# Allegro board RK3588S_Tablet_Demo_LP4XD200P232SD10H2_V11_20220218.brd (continued)
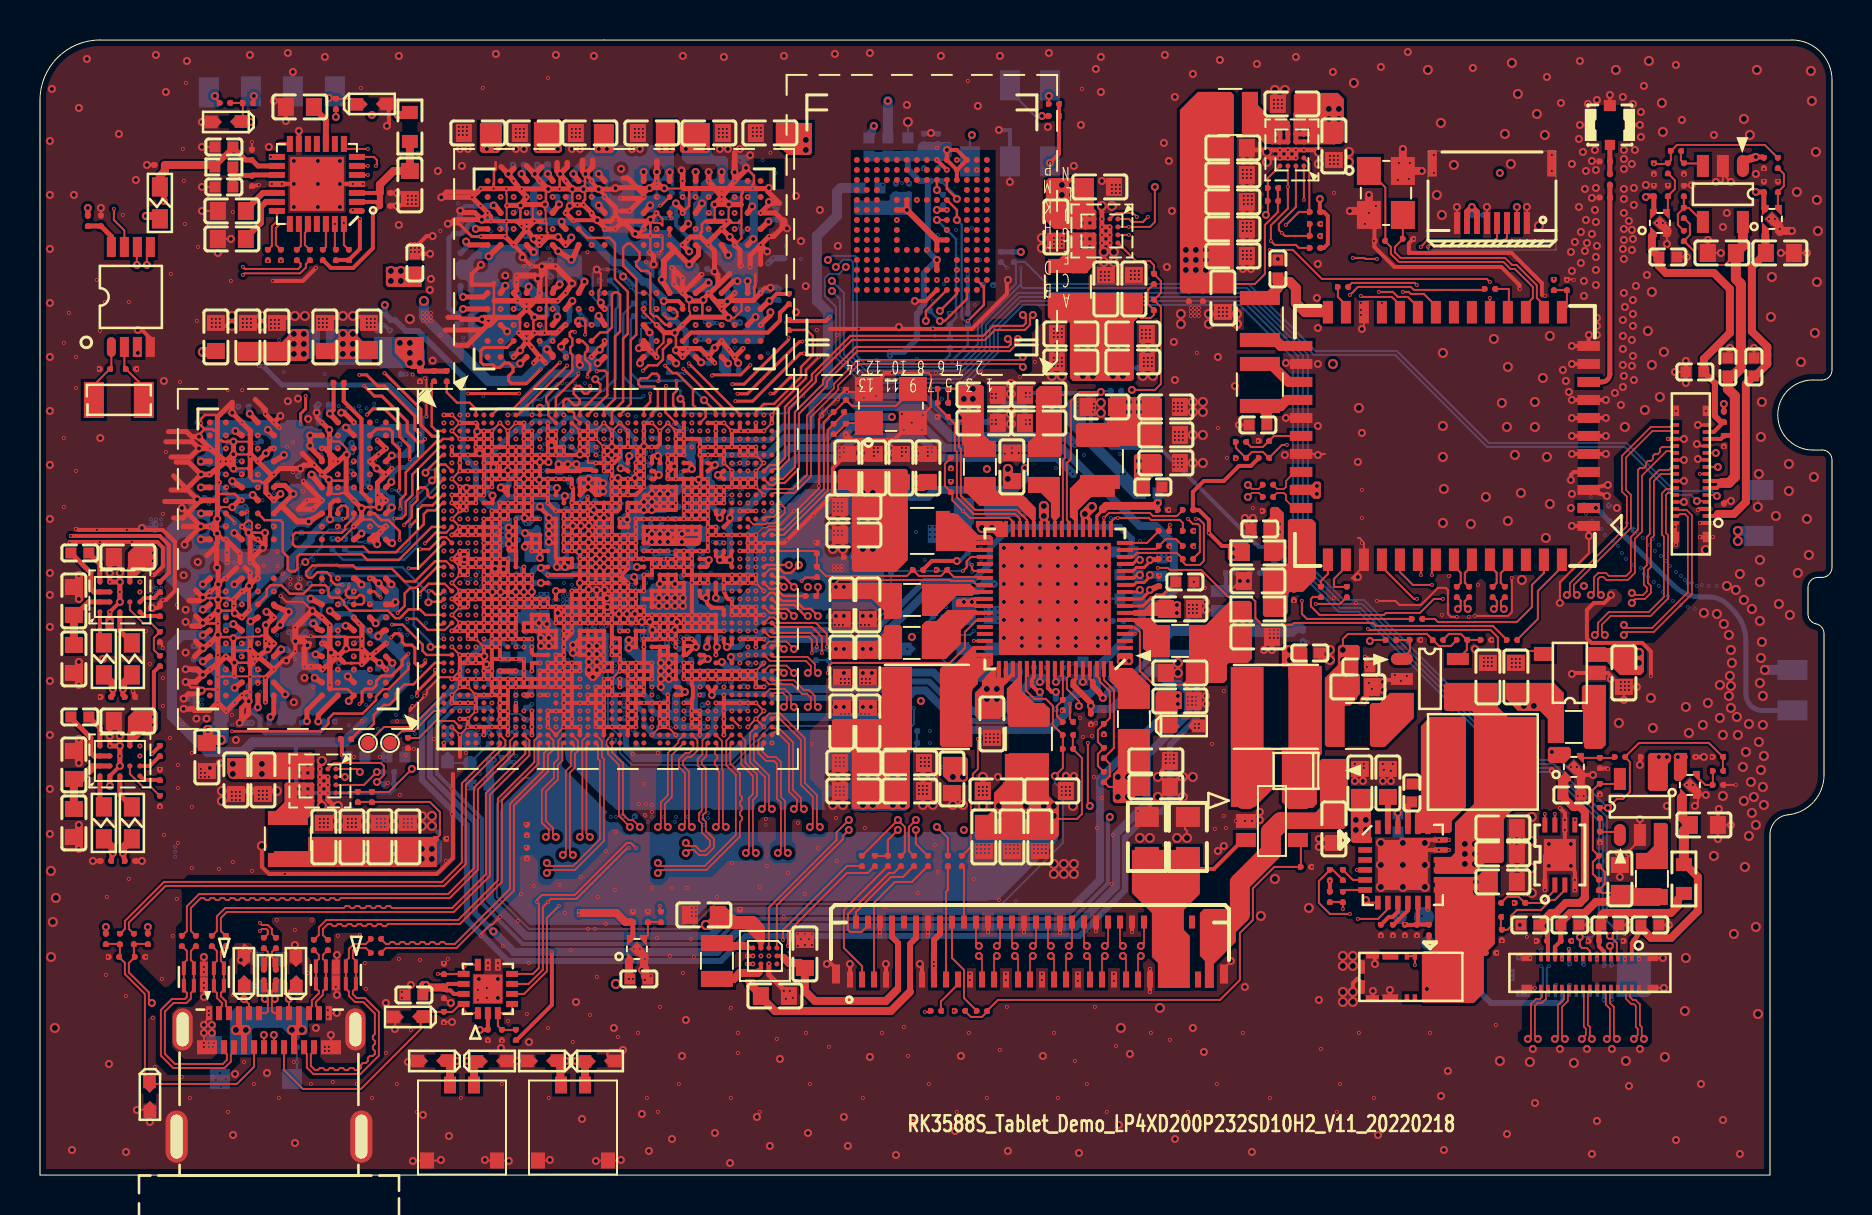
[diagram p0: board, top side]
## Placement (name value [footprint] x y rotation side) (continued)
C2511  4.7uF  [C0402]  67.89 17.6 270 bottom
C2600  100nF  [C0201]  4.69 11.8 270 top
C2601  100nF  [C0201]  3.99 11.8 270 top
C2603  100nF  [C0201]  9.29 11.7 270 top
C2604  100nF  [C0201]  8.59 11.7 270 top
C2605  100nF  [C0201]  16.79 11.1 180 top
C2606  100nF  [C0201]  16.79 11.8 180 top
C2612  220pF  [C0201]  20.19 10.3 90 top
C2613  220pF  [C0201]  20.19 7.9 270 top
C2614  1uF  [C0402]  18.69 9 180 top
C2615  100nF  [C0201]  20.19 9.1 270 top
C2616  100nF  [C0201]  23.09 7 270 top
C2617  10nF  [C0201]  22.39 7 90 top
C3807  22uF  [C0603]  8.34 20.9 270 top
C3808  10uF  [C0603]  14.24 41.9 90 top
C3809  10uF  [C0603]  16.44 41.9 90 top
C3810  1uF  [C0201]  13.94 37.35 90 bottom
C3811  1uF  [C0201]  17.98 36.27 90 bottom
C3812  100nF  [C0201]  14.96 25.34 90 bottom
C3813  100nF  [C0201]  9.41 36.9 270 bottom
C3814  100nF  [C0201]  7.69 25.52 270 bottom
C3815  100nF  [C0201]  8.46 35.29 270 bottom
C3816  100nF  [C0201]  10.13 34.97 90 bottom
C3817  100nF  [C0201]  11.5 25.88 180 bottom
C3818  100nF  [C0201]  14.02 25.64 0 bottom
C3819  100nF  [C0201]  17.16 25.32 180 bottom
C3820  100nF  [C0201]  9.29 27.73 90 bottom
C3821  100nF  [C0201]  15.31 36.59 0 bottom
C3822  100nF  [C0201]  11.04 36.95 270 bottom
C3823  100nF  [C0201]  14.9 27.2 270 bottom
C3824  100nF  [C0201]  14.04 36.24 270 bottom
C3825  100nF  [C0201]  15.84 35.17 180 bottom
C3826  10uF  [C0603]  11.84 41.9 90 top
C3827  10uF  [C0603]  10.39 41.9 90 top
C3828  1uF  [C0201]  17.19 29.03 180 bottom
C3829  1uF  [C0201]  14.19 38.52 180 bottom
C3830  100nF  [C0201]  16.53 31.92 270 bottom
C3831  100nF  [C0201]  12.46 27.4 270 bottom
C3832  100nF  [C0201]  13.27 27.4 270 bottom
C3833  100nF  [C0201]  10.58 22.88 270 bottom
C3834  100nF  [C0201]  17.34 33.75 180 bottom
C3835  100nF  [C0201]  14.47 22.68 0 bottom
C3836  100nF  [C0201]  7.54 33.3 90 bottom
C3837  100nF  [C0201]  12.89 34.69 90 bottom
C3838  100nF  [C0201]  13.07 32.38 270 bottom
C3839  100nF  [C0201]  15.64 29.2 270 bottom
C3840  100nF  [C0201]  10.18 38.42 180 bottom
C3841  10uF  [C0603]  8.79 41.9 90 top
C3842  100nF  [C0201]  15.03 28.31 90 bottom
C3843  100nF  [C0201]  18.02 26.74 90 bottom
C3844  100nF  [C0201]  7.69 26.71 270 bottom
C3845  100nF  [C0201]  10.25 33.67 270 bottom
C3846  100nF  [C0201]  10.25 27.12 180 bottom
C3847  100nF  [C0201]  15 33.04 90 bottom
C3848  100nF  [C0201]  17.35 35.04 180 bottom
C3849  22uF  [C0603]  21.89 52.1 180 top
C3850  10uF  [C0603]  24.69 52.1 180 top
C3851  10uF  [C0603]  33.44 52.1 0 top
C3852  1uF  [C0201]  35.35 47.16 180 bottom
C3853  1uF  [C0201]  35.76 44.16 0 bottom
C3854  100nF  [C0201]  23.59 40.78 90 bottom
C3855  100nF  [C0201]  23.92 44.36 270 bottom
C3856  100nF  [C0201]  23.92 43.09 90 bottom
C3857  100nF  [C0201]  35.3 48.78 180 bottom
C3858  100nF  [C0201]  34.64 44.16 180 bottom
C3859  100nF  [C0201]  26.13 48.91 0 bottom
C3860  100nF  [C0201]  33.58 42.33 90 bottom
C3861  100nF  [C0201]  25.6 43.3 180 bottom
C3862  100nF  [C0201]  34.67 40.22 0 bottom
C3863  100nF  [C0201]  24.28 46.7 90 bottom
C3864  100nF  [C0201]  22.04 48.45 180 bottom
C3865  100nF  [C0201]  23.92 50.51 180 bottom
C3866  100nF  [C0201]  33.37 48.07 0 bottom
C3867  100nF  [C0201]  35 42.89 270 bottom
C3868  10uF  [C0603]  30.59 52.1 180 top
C3869  10uF  [C0603]  27.49 52.1 180 top
C3870  1uF  [C0201]  27.43 41.01 90 bottom
C3871  1uF  [C0201]  27.61 42.56 180 bottom
C3872  100nF  [C0201]  30.32 41.67 180 bottom
C3873  100nF  [C0201]  25.8 44.92 180 bottom
C3874  100nF  [C0201]  33.09 45.3 0 bottom
C3875  100nF  [C0201]  21.28 47.61 180 bottom
C3876  100nF  [C0201]  25.8 45.73 180 bottom
C3877  100nF  [C0201]  36.83 48.02 90 bottom
C3878  100nF  [C0201]  20.84 42.8 270 bottom
C3879  100nF  [C0201]  30.78 45.13 180 bottom
C3880  100nF  [C0201]  31.44 40.4 270 bottom
C3881  100nF  [C0201]  36.93 44.01 90 bottom
C3882  100nF  [C0201]  7.74 28 270 bottom
C3883  10uF  [C0603]  36.49 52.1 180 top
C3884  100nF  [C0201]  32.1 47.94 180 bottom
C3885  100nF  [C0201]  31.44 43.19 0 bottom
C3886  100nF  [C0201]  33.44 40.85 90 bottom
C3887  100nF  [C0201]  26.72 43.17 0 bottom
C3888  100nF  [C0201]  25.52 47.94 90 bottom
C3889  100nF  [C0201]  25.12 50.51 180 bottom
C3890  100nF  [C0201]  25.05 41.82 90 bottom
C3898  1nF  [C0201]  31.84 49.1 180 bottom
C3899  1nF  [C0201]  8.5 33.85 180 bottom
C4000  100nF  [C0201]  44.89 50.6 270 bottom
C4001  100nF  [C0201]  44.89 51.8 90 bottom
C4002  100nF  [C0201]  44.19 51.8 90 bottom
C4003  100nF  [C0201]  44.19 50.6 270 bottom
C4004  4.7uF  [C0402]  43.39 51.4 90 bottom
C4005  100nF  [C0201]  42.79 49.3 90 bottom
C4006  100nF  [C0201]  43.44 49.3 90 bottom
C4007  4.7uF  [C0402]  41.99 48.9 90 bottom
C4008  2.2uF  [C0201]  47.39 44.5 0 bottom
C4600  10uF  [C0603]  84.09 46.1 180 top
C4601  100nF  [C0201]  84.19 36.7 270 top
C4602  4.7uF  [C0402]  82.74 40.15 180 top
C4603  100nF  [C0201]  84.19 37.9 90 top
C4604  10uF  [C0603]  86.99 46.1 0 top
C4605  100nF  [C0201]  84.19 33.3 90 top
C4618  1uF  [C0201]  86.19 49.4 90 top
C4619  4.7uF  [C0402]  85.69 40.4 90 top
C4620  1uF  [C0201]  80.69 49.2 90 top
C4623  4.7uF  [C0402]  81.39 45.9 0 top
C4626  100nF  [C0201]  86.89 49.4 90 top
C4627  100nF  [C0201]  81.39 49.2 90 top
C4628  1uF  [C0201]  86.19 50.6 270 top
C4629  22pF  [C0201]  82.19 46.95 90 top
C4630  4.7uF  [C0402]  84.39 40.4 90 top
C4631  100nF  [C0201]  82.19 50.33 270 top
C4700  10uF  [C0603]  78.99 14.8 90 top
C4701  100nF  [C0201]  76.29 11.7 0 top
C4702  4.7uF  [C0402]  74.49 12.5 180 top
C4703  100nF  [C0201]  75.09 11.7 180 top
C4704  10uF  [C0603]  83.19 17.5 0 top
C4705  100nF  [C0201]  79.44 11.7 180 top
C4706  4.7uF  [C0402]  78.49 12.5 0 top
C4707  100nF  [C0201]  77.69 11.7 180 top
C4716  1uF  [C0201]  75.59 20.5 270 top
C4719  4.7uF  [C0402]  76.59 19 0 top
C4720  1uF  [C0201]  80.29 20.9 180 top
C4721  22pF  [C0201]  77.94 15.7 90 top
C4722  4.7uF  [C0402]  76.49 12.5 0 top
C4724  100nF  [C0201]  77.99 20.6 270 top
C4725  100nF  [C0201]  77.99 16.9 270 top
C4727  1uF  [C0201]  82.49 20.9 0 top
C4729  4.7uF  [C0402]  80.49 12.5 0 top
C4731  100nF  [C0201]  83.89 19.5 0 top
C5500  10uF  [C0603]  33.19 13 180 top
C5501  100nF  [C0201]  34.99 13 90 top
C5607  10uF  [C0603]  64.69 17.3 270 top
C5609  4.7uF  [C0402]  63.49 26.1 0 top
C6230  100nF  [C0201]  76.34 44.5 90 top
C6240  100nF  [C0201]  73.24 29.15 270 top
C6241  100nF  [C0201]  72.63 29.15 270 top
C6300  DNP  [C0201]  78.24 50.68 180 top
C6301  DNP  [C0201]  79.49 32.05 45 bottom
C6303  10pF  [C0201]  78.49 49.78 270 top
C6304  10pF  [C0201]  78.68 32.48 135 bottom
C6306  DNP  [C0201]  78.24 48.88 180 top
C6307  DNP  [C0201]  78.26 33.29 45 bottom
C6311  100nF  [C0201]  71.45 29.15 270 top
C6312  100nF  [C0201]  70.84 29.15 270 top
C6313  4.7uF  [C0402]  61.89 45.3 90 top
C6314  22pF  [C0201]  68.39 46.8 0 top
C6315  22pF  [C0201]  66.99 46.7 180 top
C6316  100nF  [C0201]  62.69 29 270 top
C6317  22uF  [C0603]  60.89 29.7 180 top
C6318  100nF  [C0201]  61.39 33.2 180 top
C6319  4.7uF  [C0402]  60.99 32.3 180 top
C6320  4.7uF  [C0402]  60.89 37.5 180 top
C6321  100pF  [C0201]  61.39 33.9 180 top
C6322  100pF  [C0201]  61.39 34.51 180 top
C6323  DNP  [C0201]  61.19 36.7 180 top
C7000  100nF  [C0201]  17.24 48.45 0 top
C7001  100nF  [C0201]  17.24 49.1 0 top
C7002  100nF  [C0201]  10.59 51 90 top
C7003  100nF  [C0201]  10.59 49.7 270 top
C7004  4.7uF  [C0402]  9.19 49.4 180 top
C7006  10uF  [C0603]  18.49 49.5 270 top
C7009  1uF  [C0201]  13.49 46 270 top
C7010  1uF  [C0201]  12.84 46 270 top
C7011  1uF  [C0201]  12.04 46 270 top
C7012  1uF  [C0201]  11.39 46 270 top
C7013  10uF  [C0603]  9.59 46.8 180 top
C7014  10uF  [C0603]  9.59 48.2 180 top
C7015  10uF  [C0603]  12.99 53.4 180 top
C7016  4.7uF  [C0402]  9.19 51.4 180 top
C7017  100nF  [C0201]  5.99 50.5 180 top
C7022  4.7uF  [C0402]  71.89 9.7 90 bottom
C7029  100nF  [C0201]  5.99 21.2 270 top
C7031  100nF  [C0201]  5.99 20 270 top
C7034  22uF  [C0603]  4.39 22.7 180 top
C7035  100pF  [C0201]  3.29 15.7 180 top
C7036  100pF  [C0201]  4.49 15.7 0 top
C9612  10uF  [C0603]  38.24 11.05 90 top
C9613  10uF  [C0603]  36.74 8.95 0 top
C9615  10uF  [C0603]  79.19 25.1 270 top
C9616  10uF  [C0603]  73.79 24.9 90 top
C9617  4.7uF  [C0402]  1.99 22.9 0 top
C9618  10uF  [C0603]  1.69 20.5 90 top
C9619  10uF  [C0603]  1.69 17.6 270 top
C9620  4.7uF  [C0402]  1.99 31.1 0 top
C9621  22uF  [C0603]  4.39 30.9 180 top
C9622  10uF  [C0603]  1.69 28.7 90 top
C9623  10uF  [C0603]  1.69 25.8 270 top
C9624  100nF  [C0201]  5.99 29.4 270 top
C9625  100nF  [C0201]  5.99 28.2 270 top
C9626  100pF  [C0201]  3.29 23.9 180 top
C9627  100pF  [C0201]  4.49 23.9 0 top
C9628  1uF  [C0201]  29.64 12.9 90 top
C9629  4.7uF  [C0402]  29.94 9.8 0 top
C9630  100nF  [C0201]  30.39 12.9 90 top
C9633  10nF  [C0201]  71.89 48 180 bottom
C9634  10pF  [C0201]  45.14 48.75 90 bottom
C9922  1uF  [C0201]  38.8 26 270 bottom
C9923  10uF  [C0603]  9.39 6.5 180 bottom
D2600  BZT52C3V0  [SOD_123]  10.79 4.8 0 bottom
D2601  ESD5341N  [ESD0402]  5.49 3.9 270 top
D2602  ESD5341N  [ESD0402]  12.79 10.2 90 top
D2603  ESD5341N  [ESD0402]  10.19 10.2 90 top
D2604  ESD5341N  [ESD0402]  18.39 7.9 180 top
D2605  ESD5341N  [ESD0402]  12.09 10.1 90 bottom
D2606  ESD5341N  [ESD0402]  10.89 10.1 90 bottom
D5600  B5819W  [SOD_123]  62.79 20.2 0 top
D9200  ESD5451N  [ESD0402]  9.29 52.65 180 top
D9202  ESD5451N  [ESD0402]  16.59 53.55 0 top
D9203  ESD5341N  [ESD0402]  20.39 21.4 90 bottom
ED2200  AZ5825-01F  [ESD0402]  57.19 22.45 0 top
ED7006  ESD54031  [ESD0402]  22.6 5.7 0 top
ED7007  ESD54031  [ESD0402]  19.6 5.7 180 top
ED7010  ESD54031  [ESD0402]  28 5.7 0 top
ED7011  ESD54031  [ESD0402]  25.1 5.7 180 top
ED9300  ESD5341N  [ESD0402]  43.99 26.3 180 bottom
ED9301  ESD5341N  [ESD0402]  46.89 26.3 0 bottom
FB2300  120R-100MHz  [L0603]  46.99 33.45 180 bottom
FB7000  600R-100M  [L0603]  5.99 48.6 90 top
FB7002  600R-100M  [L0603]  4.59 17.6 270 top
FB7003  600R-100M  [L0603]  3.19 17.6 270 top
FB7006  600R-100M  [L0603]  4.59 25.8 270 top
FB7007  600R-100M  [L0603]  3.19 25.8 270 top
J1  CONTACT_L0475  [SMD1_65X1_0]  85.84 31.95 0 bottom
J3  CONTACT_L0475  [SMD1_65X1_0]  85.84 34.25 0 bottom
J9  MHF4-20701-001E  [CON_MHF4_20449-001E]  78.49 52.5 180 top
J11  CONTACT_L0475  [SMD1_65X1_0]  8.44 54.05 90 bottom
J12  CONTACT_L0475  [SMD1_65X1_0]  87.54 23.23 0 bottom
J2600  2012670005  [TYPEC30_24P_SD-2012670005]  11.45 4.6 0 top
J4600  BM28B0.6-30DS/2-0.35V  [CON_SMD_BM28B0_6_30DS_2_0_35V_30]  82.54 35.05 270 top
J4700  BM28B0.6-30DS/2-0.35V  [CON_SMD_BM28B0_6_30DS_2_0_35V_30]  77.49 10.1 0 top
J5500  FH35C-61S-0.3SHW  [CON_SMD_FH35C-61S-0_3SHW]  49.5 11.2 0 top
J7001  Audio_Jack_2P_A  [CNN2_2R00_6R00X6R10X5R00_H]  21.1 4.5 0 top
J7002  CON_8P_6298 708 200 883+_0.5mm  [CON_SMD_6298-708_8P_0_5PITCH]  72.6 49.2 180 top
J7003  CONTACT_L0475  [SMD1_65X1_0]  10.54 54.1 90 bottom
J7004  CONTACT_L0475  [SMD1_65X1_0]  12.64 54.1 90 bottom
J7005  CONTACT_L0475  [SMD1_65X1_0]  14.74 54.1 90 bottom
J7006  CONTACT_L0475  [SMD1_65X1_0]  50.49 50.75 270 bottom
J7007  CONTACT_L0475  [SMD1_65X1_0]  48.49 54.4 90 bottom
J7008  CONTACT_L0475  [SMD1_65X1_0]  50.49 54.4 90 bottom
J7009  CONTACT_L0475  [SMD1_65X1_0]  46.49 50.75 270 bottom
J7010  CONTACT_L0475  [SMD1_65X1_0]  48.49 50.75 270 bottom
J7011  CONTACT_L0475  [SMD1_65X1_0]  87.54 25.25 0 bottom
J7012  SGM3804  [WLCSP-1R7X1R51-12B]  36.24 10.95 270 top
J7013  Audio_Jack_2P_A  [CNN2_2R00_6R00X6R10X5R00_H]  26.65 4.5 0 top
J7014  WP26DK-S024VA3  [CON_SMD_WP26DK-S024VA3_24P_0_35P]  76.99 10 0 bottom
L2200  0.47uH  [IND_201610]  43.59 26.6 0 top
L2201  0.22uH  [IND_404020]  44.34 23.4 180 top
L2202  0.47uH  [IND_201610]  46.99 35.4 270 top
L2203  0.24uH  [IND_252012]  44.09 32.2 180 top
L2204  0.47uH  [IND_201610]  54.69 22.8 90 top
L2205  0.24uH  [IND_252012]  49.44 21.79 270 top
L2206  0.47uH  [IND_201610]  56.99 26.7 180 top
L2207  0.24uH  [IND_252012]  52.99 35.7 90 top
L2208  0.47uH  [IND_201610]  50.19 35.4 270 top
L2209  0.47uH  [IND_201610]  43.59 28.75 180 top
L2300  0.24uH  [IND_252012]  51.39 44.4 270 top
L2301  0.24uH  [IND_252012]  59.49 53.15 180 top
L2302  0.24uH  [IND_252012]  12.39 16.8 270 top
L2303  2.2uH  [IND_252010]  65.84 22.45 180 top
L2500  1.0uH  [IND_505015]  72.14 20.65 0 top
L2600  90R-100M  [RP2_0504]  11.49 10 270 top
L4700  3.3uH  [IND_201610]  80.59 14.8 270 top
L5600  10uH  [IND_404012]  61.79 23.4 180 top
L6300  2.2uH  [IND_252012]  60.99 42.8 270 top
L6301  2.2uH  [IND_252012]  60.99 39.5 270 top
L6302  4.7uH  [IND_201610]  33.84 10.7 270 top
L6303  0.47uH  [IND_201610]  76.69 22.4 0 top
R1100  22R  [R0201]  39.68 37.3 90 top
R1102  510K  [R0201]  39.94 38.15 180 top
R1104  0R  [R0201]  38.84 30.15 270 top
R1111  2.2K  [R0201]  63.74 46.35 180 top
R1112  2.2K  [R0201]  63.74 48.15 180 top
R1113  2.2K  [R0201]  17.44 20.15 180 bottom
R1114  2.2K  [R0201]  17.44 19.55 180 bottom
R1115  22R  [R0201]  56.19 32.2 180 top
R1116  22R  [R0201]  57.39 30.8 180 top
R1200  240R  [R0201]  15.3 21.8 180 top
R1201  240R  [R0201]  19.7 39.95 90 top
R1202  240R  [R0201]  20.34 39.95 90 top
R1203  240R  [R0201]  37.44 42.5 90 top
R1309  0R  [R0201]  38.54 28.95 0 top
R1400  8.2K  [R0201]  22.69 22.75 180 bottom
R1401  0R  [R0402]  17.79 20.9 0 bottom
R1402  0R  [R0402]  15.79 20.9 180 bottom
R1404  200R  [R0201]  21.79 24.85 90 bottom
R1500  10K  [R0201]  24.04 21.53 180 bottom
R1501  100K  [R0201]  23.09 20.6 90 bottom
R1502  DNP  [R0201]  22.69 22.15 180 bottom
R1509  2.2K  [R0201]  14.79 46 90 top
R1510  2.2K  [R0201]  15.44 46 90 top
R1513  22R  [R0201]  22.69 21.55 180 bottom
R1708  8.2K  [R0201]  18.4 21.6 270 top
R1904  2.2K  [R0201]  50.69 52.95 180 top
R1905  2.2K  [R0201]  50.69 53.55 180 top
R1910  2.2K  [R0201]  38.82 38.03 0 bottom
R1911  2.2K  [R0201]  38.82 37.43 0 bottom
R1914  2.2K  [R0201]  64.49 15 90 top
R1915  2.2K  [R0201]  64.49 13.9 270 top
R1916  2.2K  [R0201]  61.94 31.4 0 bottom
R1917  2.2K  [R0201]  61.94 30.75 0 bottom
R1921  2.2K  [R0201]  48.04 45.9 270 bottom
R1922  2.2K  [R0201]  48.69 45.9 270 bottom
R2002  100R  [R0201]  72.79 12.9 0 top
R2112  10K  [R0201]  61.19 35.85 180 top
R2113  10K  [R0201]  46.39 30.85 270 bottom
R2114  22R  [R0201]  60.04 36.65 0 top
R2116  22R  [R0201]  60.04 35.85 180 top
R2200  100R  [R0201]  39.44 26 270 bottom
R2208  100R  [R0201]  43.59 22.2 180 bottom
R2209  100R  [R0201]  53.79 39.2 180 bottom
R2210  0R  [R0402]  55.44 34.1 0 bottom
R2211  0R  [R0402]  51.04 37.8 180 bottom
R2218  120K  [R0201]  45.14 38.6 180 top
R2219  100R  [R0201]  42.29 30.1 0 bottom
R2227  100K  [R0201]  45.14 37.9 180 top
R2236  20K  [R0201]  53.19 21.1 90 top
R2238  100R  [R0201]  51.39 22 0 top
R2241  100K  [R0201]  53.19 22.3 270 top
R2242  0R  [R0201]  51.39 22.65 180 top
R2244  120K  [R0201]  51.14 23.5 270 top
R2258  100K  [R0201]  57.39 32.2 0 top
R2261  10K  [R0201]  57.39 33.25 180 top
R2263  10K  [R0201]  43.89 30.25 180 top
R2264  39K  [R0201]  12.84 6.65 270 bottom
R2265  10K  [R0201]  45.54 35.6 90 top
R2290  0R  [R0201]  57.39 31.45 180 top
R2291  120K  [R0201]  56.19 31.45 0 top
R2301  100R  [R0201]  55.69 44.8 90 top
R2302  100K  [R0201]  63.74 46.95 180 top
R2303  120K  [R0201]  63.74 47.55 0 top
R2305  100R  [R0201]  61.64 48.7 0 top
R2308  0R  [R0603]  56.04 25.95 90 bottom
R2309  100R  [R0201]  15.89 18.9 270 top
R2310  100K  [R0201]  60.74 30.1 180 bottom
R2311  4.7K  [R0201]  59.54 30.1 0 bottom
R2312  10K  [R0201]  67.54 26.75 0 top
R2313  100K  [R0201]  71.09 26.75 0 top
R2314  120K  [R0201]  72.29 26.75 0 top
R2359  10K  [R0201]  61.94 30.1 180 bottom
R2504  4.99K  [R0201]  69.44 12.25 90 top
R2507  100R  [R0201]  67.64 12.25 270 top
R2508  30K  [R0201]  68.24 12.25 270 top
R2509  10K  [R0201]  68.84 12.25 270 top
R2600  100K  [R0201]  5.39 11.8 270 top
R2601  4.7K  [R0201]  22.69 23.35 0 bottom
R2602  2M  [R0201]  4.99 10.9 0 top
R2603  2M  [R0201]  3.69 10.9 180 top
R2604  100K  [R0201]  3.29 11.8 270 top
R2605  0R  [R0201]  11.79 10 270 top
R2607  0R  [R0201]  11.19 10 270 top
R2608  0R  [R0201]  7.09 11.7 270 top
R2609  0R  [R0201]  7.79 11.7 270 top
R2610  0R  [R0201]  13.69 11.5 270 top
R2611  0R  [R0201]  14.39 11.5 270 top
R2615  0R  [R0201]  23.79 7 270 top
R2616  2.2R  [R0201]  11.79 11.6 270 top
R2617  2.2R  [R0201]  11.19 11.6 270 top
R3800  10K  [R0201]  17.34 28.16 270 bottom
R3801  10K  [R0201]  14.93 39.61 180 top
R3802  10K  [R0201]  26.57 40.86 180 bottom
R3803  10K  [R0201]  37.44 43.8 90 top
R3804  240R  [R0201]  12.84 22.62 0 bottom
R3805  240R  [R0201]  21.03 44.72 270 bottom
R3806  240R  [R0201]  11.73 22.62 180 bottom
R3807  240R  [R0201]  21.03 45.84 90 bottom
R3808  0R  [R0402]  16.74 40.85 0 bottom
R3809  0R  [R0402]  14.14 41.8 180 bottom
R3810  49.9R  [R0201]  14.11 29.84 270 bottom
R3811  49.9R  [R0201]  13.48 29.84 270 bottom
R3812  49.9R  [R0201]  15.26 31.54 270 bottom
R3813  49.9R  [R0201]  14.62 31.54 270 bottom
R3814  49.9R  [R0201]  28.24 44.08 180 bottom
R3815  49.9R  [R0201]  28.24 44.72 180 bottom
R3816  49.9R  [R0201]  29.94 42.94 180 bottom
R3817  49.9R  [R0201]  29.94 43.58 180 bottom
R3820  0R  [R0402]  24.19 37.75 90 bottom
R3821  0R  [R0402]  27.19 37.3 180 bottom
R4002  10K  [R0201]  44.24 43.2 0 bottom
R4003  10K  [R0201]  44.79 49.7 0 bottom
R4004  10K  [R0201]  46.39 42.8 270 bottom
R4005  0R  [R0201]  45.49 41.6 90 bottom
R4006  47K  [R0201]  45.49 42.8 90 bottom
R4638  10K  [R0201]  86.89 50.6 270 top
R4639  10K  [R0201]  81.39 50.33 270 top
R4644  33K  [R0201]  81.79 51.2 0 top
R4645  200K  [R0201]  82.19 48.1 90 top
R4651  390K  [R0201]  82.19 49.2 90 top
R4718  0R  [R0603]  82.19 14.8 270 top
R4733  10K  [R0201]  78.99 20.9 180 top
R4734  10K  [R0201]  77.99 18.1 270 top
R4735  150K  [R0201]  77.94 14.5 270 top
R4736  200K  [R0201]  77.99 19.3 270 top
R4740  33K  [R0201]  83.89 20.2 180 top
R4760  100K  [R0201]  83.89 20.9 180 top
R5511  0R  [R0201]  46.09 15.7 270 top
R5512  0R  [R0201]  45.39 15.7 270 top
R5513  0R  [R0201]  44.79 8.2 0 top
R5515  22R  [R0201]  42.39 15.7 270 top
R5516  22R  [R0201]  43.04 15.7 270 top
R5517  22R  [R0201]  43.69 15.7 270 top
R5518  22R  [R0201]  44.39 15.7 270 top
R5605  0R  [R0201]  45.99 8.2 0 top
R5609  1.5R  [R0805]  55.34 16.9 90 top
R5613  DNP  [R0805]  57.39 16.9 90 top
R5617  DNP  [R0201]  47.09 8.2 0 top
R5620  100K  [R0201]  63.29 15.4 0 top
R6314  0R  [R0603]  60.89 28.3 180 top
R6315  0R  [R0603]  60.89 31.1 180 top
R6316  0R  [R0201]  72.49 44.3 0 top
R6331  0R  [R0201]  64.04 29.15 90 top
R6333  0R  [R0201]  65.14 44.4 180 top
R6334  0R  [R0201]  75.69 44.5 270 top
R6336  0R  [R0201]  65.34 29.15 90 top
R6338  0R  [R0201]  68.84 27.8 0 top
R7000  4.7R  [R0402]  9.19 50.4 0 top
R7001  0R  [R0603]  18.49 52.4 270 top
R7009  10K  [R0201]  14.14 46 270 top
R7012  100R  [R0201]  70.79 9.2 0 bottom
R9200  100R  [R0201]  9.24 53.6 180 top
R9201  10K  [R0201]  10.39 53.6 180 top
R9205  100R  [R0201]  14.79 53.55 90 top
R9300  22R  [R0201]  44.89 27.3 180 bottom
R9301  22R  [R0201]  44.89 27.9 180 bottom
R9668  100K  [R0201]  80.69 50.33 270 top
R9680  0R  [R0201]  72.79 13.6 0 top
R9681  0R  [R0201]  2.39 47.7 90 top
R9685  0R  [R0201]  65.14 15 90 top
R9686  0R  [R0201]  65.14 13.9 90 top
R9687  0R  [R0201]  67.04 12.25 90 top
R9689  0R  [R0201]  5.99 18.7 90 top
R9690  DNP  [R0201]  5.99 26.9 90 top
R9691  10K  [R0201]  5.99 25.7 90 top
R9692  0R  [R0402]  42.39 51.4 270 bottom
R9693  0R  [R0402]  40.99 48.9 270 bottom
R9694  10K  [R0201]  31.04 12.9 270 top
R9698  22R  [R0201]  41.74 15.7 270 top
R9699  22R  [R0201]  41.09 15.7 270 top
R9700  0R  [R0201]  73.59 26.75 0 top
R9701  0R  [R0402]  41.44 51.4 270 bottom
TP2501  TP_0.7  [TP_0R70]  69.39 11.6 0 bottom
TP2502  TP_0.7  [TP_0R70]  67.99 12.9 0 bottom
TP5610  TP_0.7  [TP_0R70]  21.49 20.6 180 bottom
TP5611  TP_1.0  [TP_1R00]  69.19 12.9 0 bottom
TP5615  TP_1.0  [TP_1R00]  21.54 21.75 180 bottom
TP9110  TP_1.0  [TP_1R00]  47.04 25.15 180 bottom
TP9111  TP_1.0  [TP_1R00]  45.79 25.15 180 bottom
TP9112  TP_1.0  [TP_1R00]  48.64 25.15 180 bottom
TP9113  TP_0.7  [TP_0R70]  17.5 21.6 0 top
TP9114  TP_0.7  [TP_0R70]  16.4 21.6 0 top
U1000  RK3588S  [BGA1253_17R00X17R00X1R10]  28.39 29.8 0 top
U2000  CW2015CHBD  [DFN8_3R00X2R50X0R90]  75.99 16 90 top
U2102  HYM8563TS  [TSSOP8_3R10X3R10X1R10]  4.54 43.9 90 top
U2200  RK806-1  [QFN68_7R00X7R00X0R80_T]  50.74 28.8 180 top
U2300  RK860-2  [WLCSP20_1R65X2R05X0R63]  53.09 47.2 270 top
U2301  RK860-3  [WLCSP20_1R65X2R05X0R63]  62.59 51.25 180 top
U2302  RK860-2  [WLCSP20_1R65X2R05X0R63]  13.99 19.7 270 top
U2303  ETA3409/SY8089AAC  [SOT_23_5]  68.09 25.8 0 top
U2304  SGM2576  [SOT_23_5]  59.09 27.2 0 bottom
U2501  BQ25890  [QFN24_4R00X4R00X0R80_T]  68.14 15.5 270 top
U2600  HUSB311  [MLP14_2R50X2R50X0R80]  22.39 9.3 90 top
U2602  ESD73034D  [SON10_2R50X1R00X0R50]  8.19 9.9 180 top
U2603  ESD73034D  [SON10_2R50X1R00X0R50]  14.79 10 180 top
U3800  LPDDR4_200P  [BGA200_15R00X10R00X0R90]  12.89 30.8 180 top
U3801  LPDDR4_200P  [BGA200_15R00X10R00X0R90]  29.21 45.3 90 top
U4000  EMMC_B153_2L  [BGA153_13R00X11R50X0R90_2L]  44.09 47.5 180 top
U4600  UM1560DB_28  [DFN4_1R00X1R00X0R40_T]  86.59 47.8 0 top
U4601  UM1560DB_18  [DFN4_1R00X1R00X0R40_T]  80.99 47.6 0 top
U4602  LP3983S  [SOT_23_5]  85.14 50.45 270 top
U4700  UM1560DB_18  [DFN4_1R00X1R00X0R40_T]  76.69 20.4 0 top
U4701  SY8088AAC  [SOT_23_5]  78.99 17 90 top
U4702  UM1560DB_28  [DFN4_1R00X1R00X0R40_T]  82.49 19.5 0 top
U5602  SY7200A  [SOT23-6]  61.59 17.7 0 top
U6300  AP6275P  [MD50_WIFI-AP6275P]  70.24 36.95 180 top
U7000  ES8388  [QFN28_4R00X4R00X0R90_T]  13.84 49.55 180 top
U7003  SGM37862  [TSOT_23_5]  76.49 25.1 180 top
U7004  -  [AW87359FCR]  3.99 20.7 90 top
U7005  -  [AW87359FCR]  3.99 28.9 90 top
U7006  UM1560DB_18  [DFN4_1R00X1R00X0R40_T]  29.84 11.3 0 top
Y1100  24MHz  [CRY4_3R20X2R50X0R80]  42.54 38.45 0 top
Y2100  32.768KHz  [CRY2_3R20X1R50X0R90]  3.94 38.75 180 top
Y6300  37.4MHz  [CRY4_3R20X2R50X0R80]  67.29 49.1 270 top
